# Altium PCB STM32F407Z_20181203.PcbDoc
Units mil, origin at the board's own origin, x right, y up, seen from the top; angles counter-clockwise.
Board outline 1975.03 x 1974.98 mil, 4 copper layers (TOP, GND02, ART03, BOT), stack 23.756 mil thick; 43 components, 90 nets, 1270 pads, 131 vias.
Unrouted connection lines stored in the file: 211.
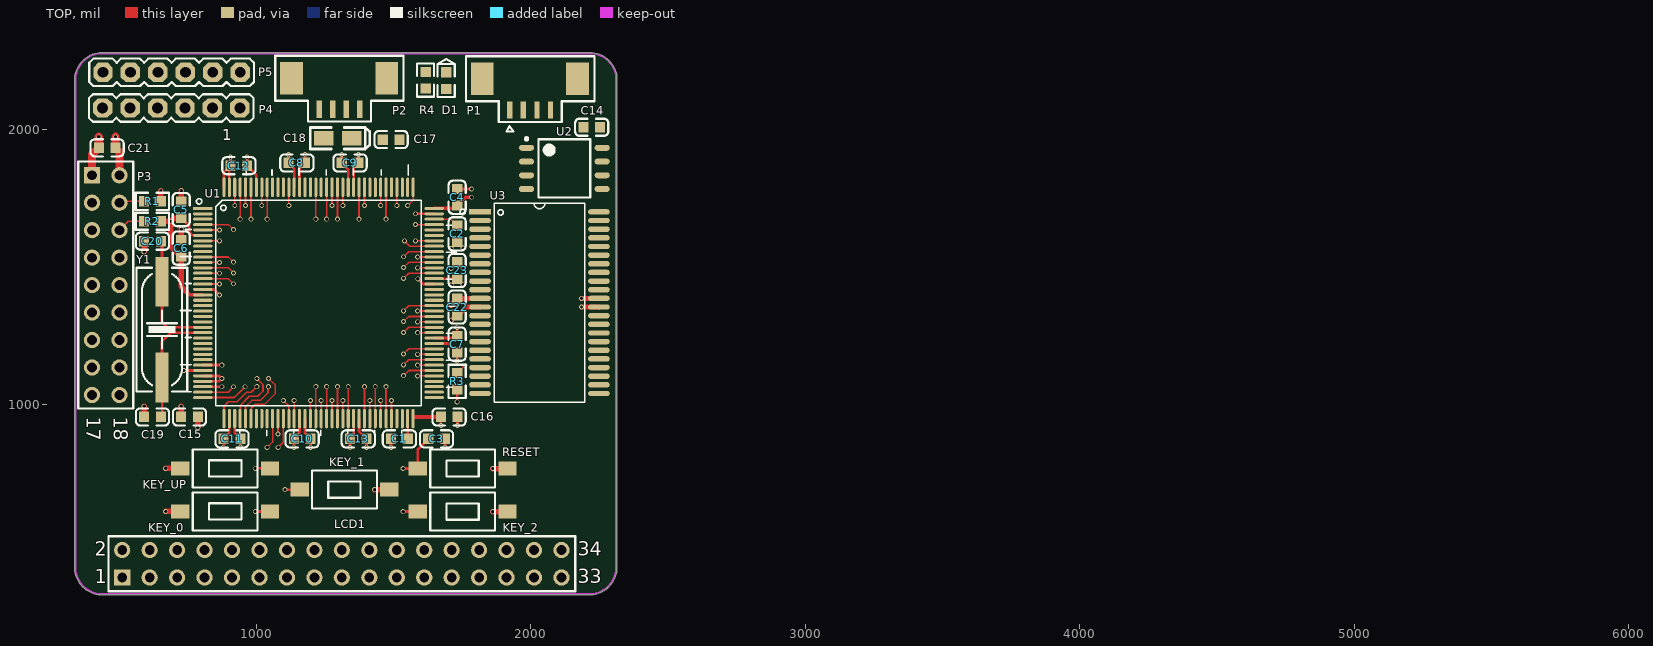
[diagram p0: TOP view]
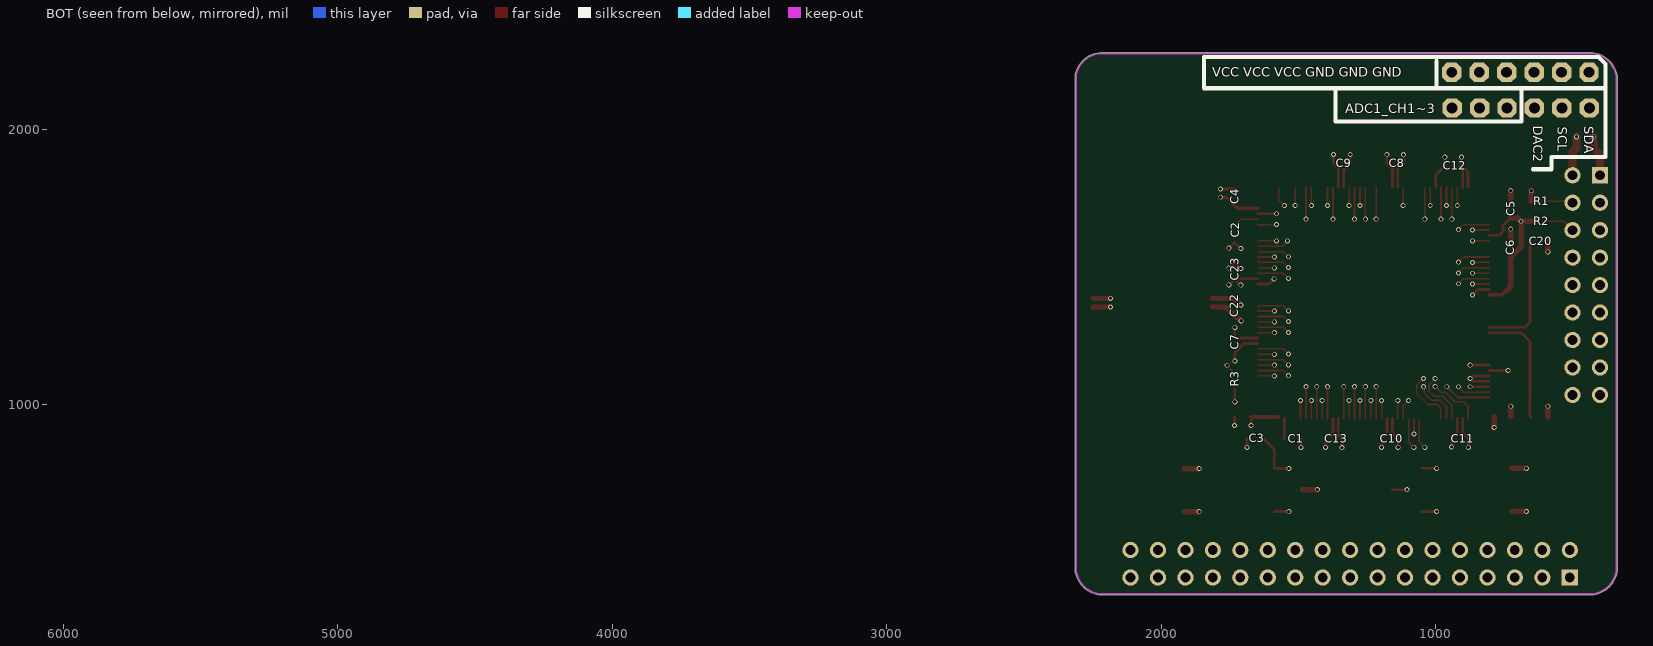
[diagram p1: BOT view, seen from below]
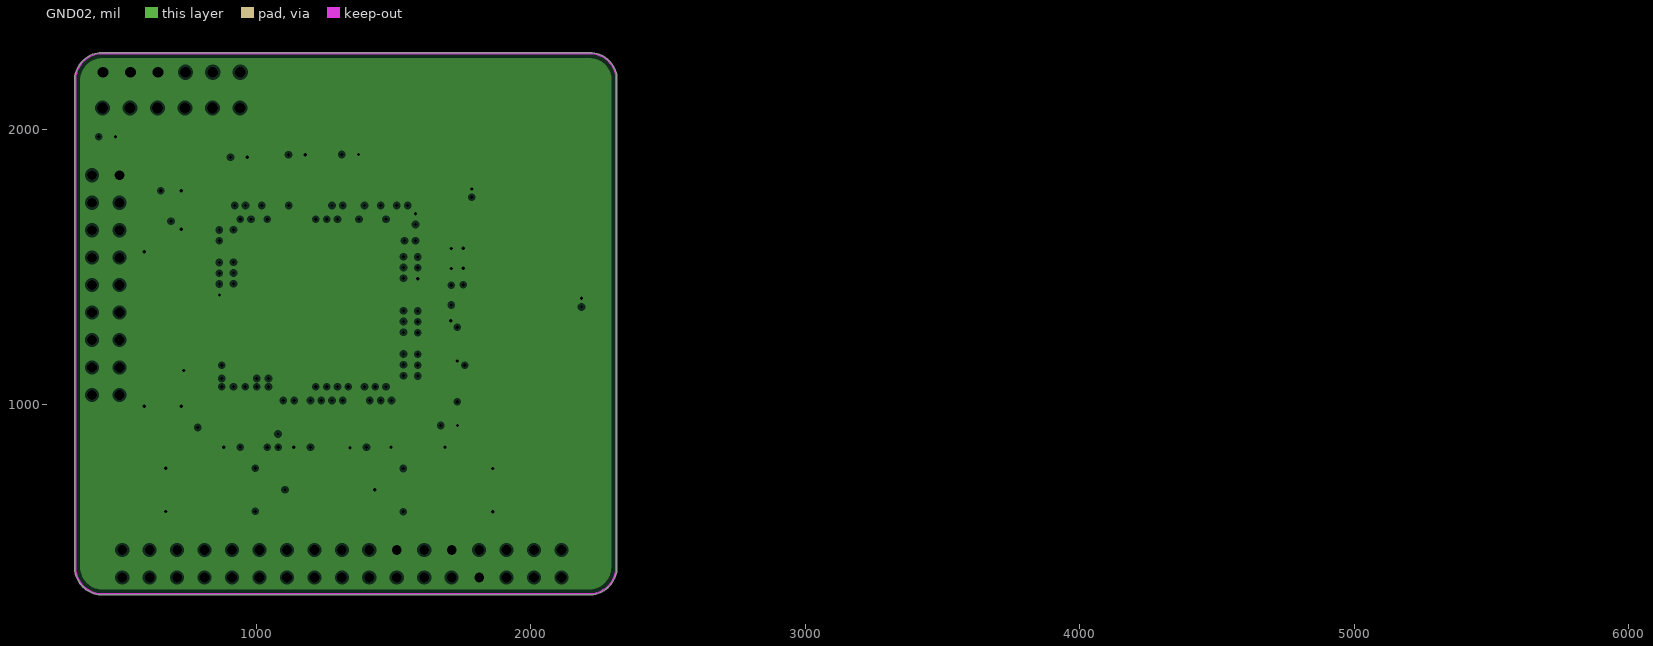
[diagram p2: GND02, clearances drawn from the general rule]

## Layer stack, top to bottom
SOLDER-TOP: solder mask 0.4, Solder Resist, Dk 3.5
TOP: signal copper 1.4
Dielectric 2: prepreg 2.8, PP-006, Dk 4.1
GND02: plane copper 1.3778, net GND
Dielectric 3: prepreg 2.8, PP-006, Dk 4.1
ART03: signal copper 1.3778
Dielectric 1: dielectric 12.6, FR-4, Dk 4.8
BOT: signal copper 1.4
SOLDER-BOT: solder mask 0.4, Solder Resist, Dk 3.5

## Board outline
368.35,336.35 ccw(c440.18,407.99) 432.95,306.81 ccw(c433.16,309.81) 433.99,306.91 ccw(c439.99,408.18) 447.11,306.98 2217,306.98 ccw(c2217,310) 2217.95,307.14 ccw(c2219.34,309.81) 2219.56,306.81 ccw(c2212.33,407.99) 2313.77,407.99 ccw(c2212.33,407.99) 2313.52,415.11 2313.52,2199.99 ccw(c2310.5,2199.99) 2313.3,2201.12 ccw(c2214.01,2180.33) 2206.89,2281.52 447.11,2281.52 ccw(c439.99,2180.33) 338.81,2187.56 ccw(c341.81,2187.34) 338.98,2186.29 338.99,415.11 ccw(c440.18,407.99) 338.91,401.99 ccw(c341.81,401.16) 338.81,400.95 ccw(c439.99,408.18)

## Design rules (kind name [scope] priority, off if disabled: settings)
Clearance Clearance_2 [IsVia] p1: gap=7 ignorepadtopadclearanceinfootprint=TRUE
Clearance Clearance_1 [InPoly] p2: gap=15 ignorepadtopadclearanceinfootprint=TRUE
Clearance [All] p3: gap=8 ignorepadtopadclearanceinfootprint=TRUE
PlaneClearance [All] p1: clearance=8
PlaneConnect PlaneConnect_1 [IsVia] p1: planeconnectstyle=Direct reliefexpansion=20 reliefentries=4 reliefconductorwidth=10 reliefairgap=10
PlaneConnect [All] p2: planeconnectstyle=Relief reliefexpansion=6 reliefentries=4 reliefconductorwidth=10 reliefairgap=8
PolygonConnect PolygonConnect_2 [IsThruPin] p1: connectstyle=Relief reliefconductorwidth=15 reliefentries=4 polygonreliefangle="90 Angle" airgapwidth=12
PolygonConnect PolygonConnect_1 [ISVIA] p2: connectstyle=Direct reliefconductorwidth=10 reliefentries=4 polygonreliefangle="90 Angle" airgapwidth=10
PolygonConnect [All] p3: connectstyle=Direct reliefconductorwidth=15 reliefentries=4 polygonreliefangle="90 Angle" airgapwidth=12
RoutingVias [All] p1: holewidth=12 width=20 viastyle="Through Hole" minholewidth=12 minwidth=18 maxholewidth=28 maxwidth=50
SolderMaskExpansion [All] p1: expansion=2.5
Width PWR [InNetClass('PWR')] p1: maxlimit=60 minlimit=10 preferedwidth=20
Width [All] p2: maxlimit=10 minlimit=6 preferedwidth=6
28 further rules are at their usual default settings.

## Classes and differential pairs
net class DCMI_DATA: DCMI_D0 DCMI_D1 DCMI_D2 DCMI_D3 DCMI_D4 DCMI_D5 DCMI_D6 DCMI_D7 DCMI_HREF DCMI_PCLK DCMI_VSYNC
net class Others: ADC1_CH1 ADC1_CH2 ADC1_CH3 DAC2_OUT F_CS I2C1_SCL I2C1_SDA JTMS_SWCLK JTMS_SWDIO KEY0 KEY1 KEY2 LCD_BL RESET SPI1_MISO SPI1_MOSI SPI1_SCK T_CS T_MISO T_MOSI T_PEN T_SCK USART1_RX USART1_TX WK_UP
net class PIN: ADC1_CH1 ADC1_CH2 ADC1_CH3 DAC2_OUT I2C1_SCL I2C1_SDA
net class T_LCD: T_CS T_MISO T_MOSI T_PEN T_SCK
net class FSMC_DATA: FSMC_D0 FSMC_D1 FSMC_D2 FSMC_D3 FSMC_D4 FSMC_D5 FSMC_D6 FSMC_D7 FSMC_D8 FSMC_D9 FSMC_D10 FSMC_D11 FSMC_D12 FSMC_D13 FSMC_D14 FSMC_D15
net class FSMC_ADDR: FSMC_A0 FSMC_A1 FSMC_A2 FSMC_A3 FSMC_A4 FSMC_A5 FSMC_A6 FSMC_A7 FSMC_A8 FSMC_A9 FSMC_A10 FSMC_A11 FSMC_A12 FSMC_A13 FSMC_A14 FSMC_A15 FSMC_A16 FSMC_A17 FSMC_A18 FSMC_NBL0 FSMC_NBL1 FSMC_NE3 FSMC_NE4 FSMC_NOE FSMC_NWE
net class DCMI: DCMI_D0 DCMI_D1 DCMI_D2 DCMI_D3 DCMI_D4 DCMI_D5 DCMI_D6 DCMI_D7 DCMI_HREF DCMI_PCLK DCMI_PWDN DCMI_RESET DCMI_SCL DCMI_SDA DCMI_VSYNC DCMI_XCLK
net class PWR: 5V GND VCC

## Components (designator, comment, footprint, x,y, rotation, side; value= is the part's Value field where it differs from the comment)
C1 "2.2uF" C0603 1521.68,875 r0 top locked
C2 "2.2uF" C0603 1732,1621.67 r90 top locked
C3 "104" C0603 1657,875 r180 top locked
C4 "104" C0603 1732,1755 r270 top locked
C5 "104" C0603 727,1710 r270 top locked
C6 "104" C0603 727,1569.69 r270 top locked
C7 "104" C0603 1732,1220 r90 top locked
C8 "104" C0603 1148.1,1880 r180 top locked
C9 "104" C0603 1342,1880 r180 top locked
C10 "104" C0603 1167.31,875 r0 top locked
C11 "104" C0603 912,875 r0 top locked
C12 "104" C0603 937,1870 r180 top locked
C13 "104" C0603 1371.69,875 r0 top locked
C14 "104" C0603 2222,2010 r0 top locked
C15 "104" C0603 757,955 r0 top locked
C16 "104" C0603 1702.67,955 r180 top locked
C17 "104" C0603 1491.37,1965 r180 top locked
C18 "10uF" LC-CASE-A_3216 1297,1970 r0 top locked
C19 "22pF" C0603 622.31,955 r0 top locked
C20 "22pF" C0603 622.31,1595 r0 top locked
C21 "104" C0603 457,1935 r180 top locked
C22 "104" C0603 1732,1355 r90 top locked
C23 "104" C0603 1732,1488.33 r270 top locked
D1 "LED0" LED0603 1692,2180 r270 top locked
KEY_0 "RESET" "micro button_2_SMD" 887,610.79 r0 top locked
KEY_1 "RESET" "micro button_2_SMD" 1321.53,690 r180 top locked
KEY_2 "RESET" "micro button_2_SMD" 1752,610 r180 top locked
KEY_UP "RESET" "micro button_2_SMD" 887,767.72 r0 top locked
LCD1 "3.2_LCD" HDR2X17 512,370 r0 top locked
P1 "USART1" 1.25PWT-4P 1997,2130 r0 top locked
P2 "JLINK" 1.25PWT-4P 1302.17,2132.09 r0 top locked
P3 "OV2640" HDR2X9 402,1835 r270 top locked
P4 "Header 6" PIN_6 690.74,2080 r180 top locked
P5 "Header 6" PIN_6 692,2210 r180 top locked
R1 "10K" R0603 622,1740 r0 top locked
R2 "10K" R0603 622,1667.5 r0 top locked
R3 "10K" R0603 1732,1084.68 r90 top locked
R4 "1K" R0603 1617.04,2181.42 r90 top locked
RESET "RESET" "micro button_2_SMD" 1752,766.93 r180 top locked
U1 "STM32F407ZET6" QFP144-0r5-20X20 1227,1370 r0 top locked
U2 "W25QXX" SOIC_8 2122.39,1860 r0 top locked
U3 "IS62WV51216" TSOP44-0r8-10 2031.84,1370.94 r270 top locked
Y1 "8MHz" Crystal_HC_49USMD 657,1272.95 r270 top

## Footprints (in the part's own frame and the unit in brackets; to place one, negate y for a bottom-side part, rotate by r counter-clockwise, add the part's x,y. Pads: shape width x height; smd on the part's side, far side on the other; paste and mask are expansions set on the pad)
1.25PWT-4P [mm]
  rect 2.1x3 smd: 0(-4.399,1.45) 0(4.399,1.45)
  rect 0.5x1.6 smd: 1(-1.849,-1.45) 2(-0.599,-1.45) 3(0.651,-1.45) 4(1.901,-1.45)
  silkscreen extent -5.91,-3.44 5.96,3.52, body extent -5.02,-1.82 5.13,2.78, height 3.43
C0603 [mm]
  rect 0.93x0.98 smd: 1(-0.77,0) 2(0.77,0)
  silkscreen extent -1.53,-0.79 1.54,0.79, body extent -0.8,-0.4 0.8,0.4, height 0.3
Crystal_HC_49USMD [mm]
  rect 4.6x1.2 smd: 1(-4.428,0) 2(4.428,0)
  silkscreen extent -5.72,-2.36 5.72,2.34
HDR2X9 [mm] "Connector; Header; 9x2 Position"
  rect 1.5x1.5 hole 0.9: 1(0,0)
  round 1.5 hole 0.9: 2(0,2.54) 3(2.54,0) 4(2.54,2.54) 5(5.08,0) 6(5.08,2.54) 7(7.62,0) 8(7.62,2.54) 9(10.16,0) 10(10.16,2.54) 11(12.7,0) 12(12.7,2.54) 13(15.24,0) 14(15.24,2.54) 15(17.78,0) 16(17.78,2.54) 17(20.32,0) 18(20.32,2.54)
  silkscreen extent -1.27,-1.27 21.59,3.81
HDR2X17 [mm] "Connector; Header; 15x2 Position"
  rect 1.5x1.5 hole 0.9: 1(0,0)
  round 1.5 hole 0.9: 2(0,2.54) 3(2.54,0) 4(2.54,2.54) 5(5.08,0) 6(5.08,2.54) 7(7.62,0) 8(7.62,2.54) 9(10.16,0) 10(10.16,2.54) 11(12.7,0) 12(12.7,2.54) 13(15.24,0) 14(15.24,2.54) 15(17.78,0) 16(17.78,2.54) 17(20.32,0) 18(20.32,2.54) 19(22.86,0) 20(22.86,2.54) 21(25.4,0) 22(25.4,2.54) 23(27.94,0) 24(27.94,2.54) 25(30.48,0) 26(30.48,2.54) 27(33.02,0) 28(33.02,2.54) 29(35.56,0) 30(35.56,2.54) 31(38.1,0) 32(38.1,2.54) 33(40.64,0) 34(40.64,2.54)
  silkscreen extent -1.27,-1.27 41.91,3.81
LC-CASE-A_3216 [mm]
  rect 1.8x1.35 smd: 1(1.31,0) 2(-1.31,0)
  silkscreen extent -2.54,-1 2.97,1, body extent -1.7,-0.84 1.7,0.84, height 1.71
LED0603 [mm]
  rect 0.93x0.98 smd: A(0.77,0) K(-0.77,0)
  silkscreen extent -2,-0.79 1.53,0.79, body extent -0.8,-0.4 0.8,0.4, height 0.6
"micro button_2_SMD" [mm]
  rect 1.7x1.3 smd: 1(-4.15,0) 2(4.15,0)
  silkscreen extent -3,-1.76 3,1.74, body extent -4.5,-1.75 4.5,1.75, height 4.51
PIN_6 [mm]
  oct 1.8x1.8 hole 1: 1(-6.35,0) 2(-3.81,0) 3(-1.27,0) 4(1.27,0) 5(3.81,0) 6(6.35,0)
  silkscreen extent -7.62,-1.27 7.62,1.27, body extent -7.62,-1.27 7.62,1.27, height 8.51
QFP144-0r5-20X20 [mm]
  rect 1.8x0.28 smd: 1(-10.7,8.75)
  oval 1.8x0.28 smd: 2(-10.7,8.25) 3(-10.7,7.75) 4(-10.7,7.25) 5(-10.7,6.75) 6(-10.7,6.25) 7(-10.7,5.75) 8(-10.7,5.25) 9(-10.7,4.75) 10(-10.7,4.25) 11(-10.7,3.75) 12(-10.7,3.25) 13(-10.7,2.75) 14(-10.7,2.25) 15(-10.7,1.75) 16(-10.7,1.25) 17(-10.7,0.75) 18(-10.7,0.25) 19(-10.7,-0.25) 20(-10.7,-0.75) 21(-10.7,-1.25) 22(-10.7,-1.75) 23(-10.7,-2.25) 24(-10.7,-2.75) 25(-10.7,-3.25) 26(-10.7,-3.75) 27(-10.7,-4.25) 28(-10.7,-4.75) 29(-10.7,-5.25) 30(-10.7,-5.75) 31(-10.7,-6.25) 32(-10.7,-6.75) 33(-10.7,-7.25) 34(-10.7,-7.75) 35(-10.7,-8.25) 36(-10.7,-8.75) 73(10.7,-8.75) 74(10.7,-8.25) 75(10.7,-7.75) 76(10.7,-7.25) 77(10.7,-6.75) 78(10.7,-6.25) 79(10.7,-5.75) 80(10.7,-5.25) 81(10.7,-4.75) 82(10.7,-4.25) 83(10.7,-3.75) 84(10.7,-3.25) 85(10.7,-2.75) 86(10.7,-2.25) 87(10.7,-1.75) 88(10.7,-1.25) 89(10.7,-0.75) 90(10.7,-0.25) 91(10.7,0.25) 92(10.7,0.75) 93(10.7,1.25) 94(10.7,1.75) 95(10.7,2.25) 96(10.7,2.75) 97(10.7,3.25) 98(10.7,3.75) 99(10.7,4.25) 100(10.7,4.75) 101(10.7,5.25) 102(10.7,5.75) 103(10.7,6.25) 104(10.7,6.75) 105(10.7,7.25) 106(10.7,7.75) 107(10.7,8.25) 108(10.7,8.75)
  oval 0.28x1.8 smd: 37(-8.75,-10.7) 38(-8.25,-10.7) 39(-7.75,-10.7) 40(-7.25,-10.7) 41(-6.75,-10.7) 42(-6.25,-10.7) 43(-5.75,-10.7) 44(-5.25,-10.7) 45(-4.75,-10.7) 46(-4.25,-10.7) 47(-3.75,-10.7) 48(-3.25,-10.7) 49(-2.75,-10.7) 50(-2.25,-10.7) 51(-1.75,-10.7) 52(-1.25,-10.7) 53(-0.75,-10.7) 54(-0.25,-10.7) 55(0.25,-10.7) 56(0.75,-10.7) 57(1.25,-10.7) 58(1.75,-10.7) 59(2.25,-10.7) 60(2.75,-10.7) 61(3.25,-10.7) 62(3.75,-10.7) 63(4.25,-10.7) 64(4.75,-10.7) 65(5.25,-10.7) 66(5.75,-10.7) 67(6.25,-10.7) 68(6.75,-10.7) 69(7.25,-10.7) 70(7.75,-10.7) 71(8.25,-10.7) 72(8.75,-10.7) 109(8.75,10.7) 110(8.25,10.7) 111(7.75,10.7) 112(7.25,10.7) 113(6.75,10.7) 114(6.25,10.7) 115(5.75,10.7) 116(5.25,10.7) 117(4.75,10.7) 118(4.25,10.7) 119(3.75,10.7) 120(3.25,10.7) 121(2.75,10.7) 122(2.25,10.7) 123(1.75,10.7) 124(1.25,10.7) 125(0.75,10.7) 126(0.25,10.7) 127(-0.25,10.7) 128(-0.75,10.7) 129(-1.25,10.7) 130(-1.75,10.7) 131(-2.25,10.7) 132(-2.75,10.7) 133(-3.25,10.7) 134(-3.75,10.7) 135(-4.25,10.7) 136(-4.75,10.7) 137(-5.25,10.7) 138(-5.75,10.7) 139(-6.25,10.7) 140(-6.75,10.7) 141(-7.25,10.7) 142(-7.75,10.7) 143(-8.25,10.7) 144(-8.75,10.7)
  silkscreen extent -12.8,-12.8 12.8,12.8, body extent -11,-11 11,11, height 1.55
R0603 [mm]
  rect 0.93x0.98 smd: 1(-0.77,0) 2(0.77,0)
  silkscreen extent -1.53,-0.79 1.54,0.79, body extent -0.85,-0.4 0.85,0.4, height 0.56
SOIC_8 [mm] "SOIC, 8-Leads, Body 5.28x5.28mm, Pitch 1.27mm, IPC High Density"
  oval 1.4x0.55 smd: 1(-3.5,1.905) 2(-3.5,0.635) 3(-3.5,-0.635) 4(-3.5,-1.905) 5(3.5,-1.905) 6(3.5,-0.635) 7(3.5,0.635) 8(3.5,1.905)
  silkscreen extent -3.62,-2.7 2.4,2.85, body extent -3.95,-2.7 3.95,2.7, height 2.16
TSOP44-0r8-10 [mm]
  rect 0.5x2 smd: 1(-8.4,-5.5)
  oval 0.5x2 smd: 2(-7.6,-5.5) 3(-6.8,-5.5) 4(-6,-5.5) 5(-5.2,-5.5) 6(-4.4,-5.5) 7(-3.6,-5.5) 8(-2.8,-5.5) 9(-2,-5.5) 10(-1.2,-5.5) 11(-0.4,-5.5) 12(0.4,-5.5) 13(1.2,-5.5) 14(2,-5.5) 15(2.8,-5.5) 16(3.6,-5.5) 17(4.4,-5.5) 18(5.2,-5.5) 19(6,-5.5) 20(6.8,-5.5) 21(7.6,-5.5) 22(8.4,-5.5) 23(8.4,5.5) 24(7.6,5.5) 25(6.8,5.5) 26(6,5.5) 27(5.2,5.5) 28(4.4,5.5) 29(3.6,5.5) 30(2.8,5.5) 31(2,5.5) 32(1.2,5.5) 33(0.4,5.5) 34(-0.4,5.5) 35(-1.2,5.5) 36(-2,5.5) 37(-2.8,5.5) 38(-3.6,5.5) 39(-4.4,5.5) 40(-5.2,5.5) 41(-6,5.5) 42(-6.8,5.5) 43(-7.6,5.5) 44(-8.4,5.5)
  silkscreen extent -9.2,-7.35 9.2,4.2, body extent -9.21,-5.89 9.21,5.89, height 1.24

## Part data
C1 C2 C3 C4 C5 C6 C7 C8 C9 C10 C11 C12 C13 C14 C15 C16 C17 C19 C20 C21 C22 C23: library part Cap, "Capacitor", LatestRevisionDate=17-Jul-2002, LatestRevisionNote="Re-released for DXP Platform.", PackageDescription="Radial Cap, Thru-Hole; 2 Leads; 0.3 in Pin Spacing", PackageReference=RAD-0.3, Published=8-Jun-2000, Publisher="Altium Limited"
C18: library part "Cap Pol1", "Polarized Capacitor (Radial)", LatestRevisionDate=17-Jul-2002, LatestRevisionNote="Re-released for DXP Platform.", PackageDescription="Polarized Capacitor (Radial); 2 Leads", PackageReference=RB7.6-15, Published=8-Jun-2000, Publisher="Altium Limited"
D1: "Typical INFRARED GaAs LED", LatestRevisionDate=08-Jul-2005, LatestRevisionNote="Mech Layer 1 removed.", PackageDescription="LED; 2 Leads", PackageReference=LED-0, Published=8-Jun-2000, Publisher="Altium Limited"
KEY_0 KEY_1 KEY_2 KEY_UP RESET: library part SW-PB, "Switch", LatestRevisionDate=17-Jul-2002, LatestRevisionNote="Re-released for DXP Platform.", PackageDescription="Switch; 2 Leads", PackageReference=SPST-2, Published=24-Mar-1999, Publisher="Altium Limited"
P1 P2: library part "Header 4", "Header, 4-Pin", LatestRevisionDate=17-Jul-2002, LatestRevisionNote="Re-released for DXP Platform.", Publisher="Altium Limited"
P3: library part "Header 9X2", "Header, 9-Pin, Dual row", LatestRevisionDate=17-Jul-2002, LatestRevisionNote="Re-released for DXP Platform.", Publisher="Altium Limited"
P4 P5: "Header, 6-Pin", LatestRevisionDate=17-Jul-2002, LatestRevisionNote="Re-released for DXP Platform.", Publisher="Altium Limited"
R1 R2 R3 R4: library part Res2, "Resistor", LatestRevisionDate=17-Jul-2002, LatestRevisionNote="Re-released for DXP Platform.", PackageDescription="Axial Device, Thru-Hole; 2 Leads; 0.4 in Pin Spacing", PackageReference=AXIAL-0.4, Published=8-Jun-2000, Publisher="Altium Limited"
U1: "ARM Cortex-M4 32b MCU+FPU, 210DMIP, 512 kB Flash, 192+4 kB RAM, Camera, 114 I/Os, 144-pin LQFP, -40 to +85癈, Tray", Operating Frequency (Processor Speed)=168MHz, 16-bit Timers (IC/OC/PWM)=12x16-bit(24/24/30), 32-bit Timer (IC/OC/PWM)="2x32-bit (8/8/8)", A/D Converter=24x12-bit, ComponentLink1Description="Manufacturer URL", ComponentLink1URL=http://www.st.com/, ComponentLink2Description="STM32F405/7 Datasheet", ComponentLink2URL=http://www.st.com/internet/com/TECHNICAL_RESOURCES/TECHNICAL_LITERATURE/DATASHEET/DM00037051.pdf, ComponentLink3Description="STM32F4 Web Page", ComponentLink3URL=http://www.st.com/internet/mcu/subclass/1521.jsp, D/A Converter=2x12-bit, DatasheetVersion="rev2, Jan-2012", Internal RAM=192kB, Other Timer Functions="2xWDG, RTC, 24-bit down counter", PackageDescription="144-Pin Low Profile Quad Flat Package, 20x20 mm Body, 0.5 mm Pitch", PackageReference=TQFP144, PackageVersion=2012, Serial Interface="3xSPI/2xI2S/2xI2C/3xUSART(IrDa, ISO7816)/3xUART/2xUSB OTG FS/HS, 2xCAN/Ethernet MAC10/100, SDIO"
U2: library part W25X16, "W25X16;SST25VF016;MX25L1605"
Y1: library part XTAL, "Crystal Oscillator", LatestRevisionDate=17-Jul-2002, LatestRevisionNote="Re-released for DXP Platform.", PackageDescription="Crystal, Thru-Hole; 2 Leads; Body 3.1 x 8.2 mm (Dia.xH)", PackageReference=R38, Published=8-Jun-2000, Publisher="Altium Limited"

## Free pads (board coordinates)
  round 6 on Mech1: 1(2865.57,1051.13) 1(2865.57,1271.13) 1(2865.57,1491.13) 1(2945.57,1031.13) 1(2945.57,1031.13) 1(2945.57,1071.13) 1(2945.57,1071.13) 1(2945.57,1251.13) 1(2945.57,1251.13) 1(2945.57,1291.13) 1(2945.57,1291.13) 1(2945.57,1471.13) 1(2945.57,1471.13) 1(2945.57,1511.13) 1(2945.57,1511.13) 1(3000.57,1051.13) 1(3000.57,1051.13) 1(3000.57,1051.13) 1(3000.57,1271.13) 1(3000.57,1271.13) 1(3000.57,1271.13) 1(3000.57,1491.13) 1(3000.57,1491.13) 1(3000.57,1491.13) 1(3096.07,1015.71) 1(3096.07,1065.71) 1(3096.07,1235.39) 1(3096.07,1285.39) 1(3096.07,1455.08) 1(3096.07,1505.08) 1(3131.07,1000.71) 1(3131.07,1220.39) 1(3131.07,1440.08) 1(3136.07,1105.71) 1(3136.07,1325.39) 1(3136.07,1545.08) 1(3181.07,1000.71) 1(3181.07,1220.39) 1(3181.07,1440.08) 1(3186.07,1105.71) 1(3186.07,1325.39) 1(3186.07,1545.08) 1(3231.07,1000.71) 1(3231.07,1220.39) 1(3231.07,1440.08) 1(3236.07,1105.71) 1(3236.07,1325.39) 1(3236.07,1545.08) 1(3286.07,1105.71) 1(3286.07,1325.39) 1(3286.07,1545.08) 1(3336.07,1105.71) 1(3336.07,1325.39) 1(3336.07,1545.08) 1(3678.61,2121.02) 1(3678.61,2121.02) 1(3678.61,2184.02) 1(3682.78,2104.02) 1(3709.95,2121.02) 1(3737.7,2121.02) 1(3744.75,2143.07) 1(3757.28,2184.02) 1(3757.28,2184.02) 1(3769.81,2143.07) 1(3776.86,2121.02) 1(3791.87,783.3) 1(3791.87,783.3) 1(3791.87,816.9) 1(3791.87,846.3) 1(3791.87,846.3) 1(3800.33,2025.42) 1(3803.46,2064.27) 1(3803.46,2064.27) 1(3804.61,2184.02) 1(3805.03,2071.62) 1(3805.03,2071.62) 1(3805.81,2056.92) 1(3805.81,2056.92) 1(3806.6,2020.17) 1(3806.6,2020.17) 1(3808.95,2076.87) 1(3808.95,2076.87) 1(3811.3,2052.72) 1(3811.3,2052.72) 1(3813.02,846.3) 1(3813.02,846.3) 1(3813.65,2017.02) 1(3813.65,2017.02) 1(3814.43,2080.02) 1(3814.43,2080.02) 1(3816.16,816.9) 1(3816.16,816.9) 1(3816.16,816.9) 1(3817.72,783.3) 1(3817.72,783.3) 1(3818.51,843.15) 1(3818.51,843.15) 1(3819.29,820.05) 1(3819.29,820.05) 1(3819.91,2017.02) 1(3819.91,2017.02) 1(3819.91,2080.02) 1(3819.91,2080.02) 1(3820.28,2121.02) 1(3820.28,2149.37) 1(3820.28,2149.37) 1(3820.28,2149.37) 1(3820.7,2050.62) 1(3820.7,2050.62) 1(3821.64,814.8) 1(3821.64,814.8) 1(3821.64,825.3) 1(3821.64,825.3) 1(3821.64,838.95) 1(3821.64,838.95) 1(3823.21,787.5) 1(3823.21,787.5) 1(3823.21,832.65) 1(3823.21,832.65) 1(3825.4,2077.92) 1(3825.4,2077.92) 1(3826.18,2020.17) 1(3826.18,2020.17) 1(3826.34,793.8) 1(3826.34,793.8) 1(3826.34,808.5) 1(3826.34,808.5) 1(3827.75,2046.42) 1(3827.75,2046.42) 1(3827.91,801.15) 1(3827.91,801.15) 1(3829.62,1780.02) 1(3830.1,2072.67) 1(3830.88,2025.42) 1(3830.88,2025.42) 1(3831.66,2040.12) 1(3831.66,2040.12) 1(3833.23,2032.77) 1(3833.23,2032.77) 1(3835.95,2184.02) 1(3847.64,1717.02) 1(3847.64,1780.02) 1(3851.74,810.6) 1(3851.74,810.6) 1(3851.74,819) 1(3851.74,819) 1(3853.31,802.2) 1(3853.31,802.2) 1(3853.31,827.4) 1(3853.31,827.4) 1(3856.44,794.85) 1(3856.44,794.85) 1(3856.44,834.75) 1(3856.44,834.75) 1(3860.2,2045.37) 1(3860.2,2045.37) 1(3860.98,2054.82) 1(3860.98,2054.82) 1(3861.14,788.55) 1(3861.14,788.55) 1(3861.14,841.05) 1(3861.14,841.05) 1(3861.76,2035.92) 1(3861.76,2035.92) 1(3864.11,2029.62) 1(3864.11,2029.62) 1(3864.11,2065.32) 1(3864.11,2065.32) 1(3865.66,1780.02) 1(3866.62,784.35) 1(3866.62,784.35) 1(3866.62,845.25) 1(3866.62,845.25) 1(3867.61,2121.02) 1(3867.61,2121.02) 1(3867.61,2153.57) 1(3867.61,2184.02) 1(3867.61,2184.02) 1(3868.03,2071.62) 1(3868.03,2071.62) 1(3868.81,2023.32) 1(3868.81,2023.32) 1(3872.89,783.3) 1(3872.89,783.3) 1(3872.89,846.3) 1(3872.89,846.3) 1(3873.51,2076.87) 1(3873.51,2076.87) 1(3874.3,2019.12) 1(3874.3,2019.12) 1(3879.16,784.35) 1(3879.16,784.35) 1(3879.16,845.25) 1(3879.16,845.25) 1(3879.78,2017.02) 1(3879.78,2017.02) 1(3880.56,2080.02) 1(3880.56,2080.02) 1(3884.64,788.55) 1(3884.64,788.55) 1(3884.64,841.05) 1(3884.64,841.05) 1(3885.26,2017.02) 1(3885.26,2017.02) 1(3886.41,2153.57) 1(3886.83,2080.02) 1(3886.83,2080.02) 1(3889.34,794.85) 1(3889.34,794.85) 1(3889.34,834.75) 1(3889.34,834.75) 1(3889.49,1744.32) 1(3889.49,1744.32) 1(3889.49,1752.72) 1(3889.49,1752.72) 1(3890.75,2019.12) 1(3890.75,2019.12) 1(3891.06,1735.92) 1(3891.06,1735.92) 1(3891.06,1761.12) 1(3891.06,1761.12) 1(3892.31,2077.92) 1(3892.31,2077.92) 1(3892.47,802.2) 1(3892.47,802.2) 1(3892.47,827.4) 1(3892.47,827.4) 1(3894.04,810.6) 1(3894.04,810.6) 1(3894.04,819) 1(3894.04,819) 1(3894.19,1728.57) 1(3894.19,1728.57) 1(3894.19,1768.47) 1(3894.19,1768.47) 1(3895.45,2022.27) 1(3895.45,2022.27) 1(3897.01,2074.77) 1(3898.89,1722.27) 1(3898.89,1722.27) 1(3898.89,1774.77) 1(3898.89,1774.77) 1(3898.95,2121.02) 1(3898.95,2184.02) 1(3899.36,2026.47) 1(3904.37,1718.07) 1(3904.37,1718.07) 1(3904.37,1778.97) 1(3904.37,1778.97) 1(3910.64,1717.02) 1(3910.64,1717.02) 1(3910.64,1780.02) 1(3910.64,1780.02) 1(3916.91,1718.07) 1(3916.91,1718.07) 1(3916.91,1778.97) 1(3916.91,1778.97) 1(3917.87,846.3) 1(3922.39,1722.27) 1(3922.39,1722.27) 1(3922.39,1774.77) 1(3922.39,1774.77) 1(3923.2,2017.02) 1(3927.09,1728.57) 1(3927.09,1728.57) 1(3927.09,1768.47) 1(3927.09,1768.47) 1(3930.22,1735.92) 1(3930.22,1735.92) 1(3930.22,1761.12) 1(3930.22,1761.12) 1(3930.25,2039.07) 1(3930.61,2121.02) 1(3930.61,2151.47) 1(3930.61,2184.02) 1(3930.61,2184.02) 1(3931.79,1744.32) 1(3931.79,1744.32) 1(3931.79,1752.72) 1(3931.79,1752.72) 1(3935.89,783.3) 1(3935.89,846.3) 1(3942.78,2080.02) 1(3942.78,2080.02) 1(3950.2,2151.47) 1(3950.2,2151.47) 1(3950.2,2151.47) 1(3950.2,2184.02) 1(3950.2,2184.02) 1(3953.91,846.3) 1(3955.31,2039.07) 1(3955.68,2154.62) 1(3955.68,2154.62) 1(3956.46,2180.87) 1(3956.46,2180.87) 1(3957.97,1717.02) 1(3957.97,1743.27) 1(3957.97,1780.02) 1(3957.97,1780.02) 1(3960.38,2159.87) 1(3960.38,2159.87) 1(3960.38,2176.67) 1(3960.38,2176.67) 1(3961.95,2121.02) 1(3961.95,2168.27) 1(3961.95,2168.27) 1(3962.36,2017.02) 1(3976.77,1743.27) 1(3976.77,1743.27) 1(3976.77,1780.02) 1(3976.77,1780.02) 1(3980.87,846.3) 1(3983.04,1776.87) 1(3983.04,1776.87) 1(3983.82,1746.42) 1(3983.82,1746.42) 1(3987.74,1752.72) 1(3987.74,1752.72) 1(3987.74,1769.52) 1(3987.74,1769.52) 1(3989.31,1761.12) 1(3989.31,1761.12) 1(3990.11,2017.02) 1(3990.11,2017.02) 1(3990.11,2080.02) 1(3998.89,783.3) 1(3998.89,846.3) 1(4016.91,846.3) 1(4021.45,2017.02) 1(4040.74,810.6) 1(4040.74,810.6) 1(4040.74,819) 1(4040.74,819) 1(4042.31,802.2) 1(4042.31,802.2) 1(4042.31,827.4) 1(4042.31,827.4) 1(4045.44,794.85) 1(4045.44,794.85) 1(4045.44,834.75) 1(4045.44,834.75) 1(4050.14,788.55) 1(4050.14,788.55) 1(4050.14,841.05) 1(4050.14,841.05) 1(4053.11,2017.02) 1(4053.11,2017.02) 1(4053.11,2049.57) 1(4053.11,2080.02) 1(4053.11,2080.02) 1(4055.62,784.35) 1(4055.62,784.35) 1(4055.62,845.25) 1(4055.62,845.25) 1(4055.83,2129.42) 1(4058.96,2168.27) 1(4058.96,2168.27) 1(4060.53,2175.62) 1(4060.53,2175.62) 1(4061.31,2160.92) 1(4061.31,2160.92) 1(4061.89,783.3) 1(4061.89,783.3) 1(4061.89,846.3) 1(4061.89,846.3) 1(4062.1,2124.17) 1(4062.1,2124.17) 1(4064.45,2180.87) 1(4064.45,2180.87) 1(4066.8,2156.72) 1(4066.8,2156.72) 1(4068.16,784.35) 1(4068.16,784.35) 1(4068.16,845.25) 1(4068.16,845.25) 1(4069.15,2121.02) 1(4069.15,2121.02) 1(4069.93,2184.02) 1(4069.93,2184.02) 1(4071.91,2049.57) 1(4073.64,788.55) 1(4073.64,788.55) 1(4073.64,841.05) 1(4073.64,841.05) 1(4075.41,2121.02) 1(4075.41,2121.02) 1(4075.41,2184.02) 1(4075.41,2184.02) 1(4076.2,2154.62) 1(4076.2,2154.62) 1(4078.34,794.85) 1(4078.34,794.85) 1(4078.34,834.75) 1(4078.34,834.75) 1(4080.9,2181.92) 1(4080.9,2181.92) 1(4081.47,802.2) 1(4081.47,802.2) 1(4081.47,827.4) 1(4081.47,827.4) 1(4081.68,2124.17) 1(4081.68,2124.17) 1(4083.04,810.6) 1(4083.04,810.6) 1(4083.04,819) 1(4083.04,819) 1(4083.19,1725.42) 1(4083.25,2150.42) 1(4083.25,2150.42) 1(4084.45,2017.02) 1(4084.45,2080.02) 1(4085.6,2176.67) 1(4086.32,1764.27) 1(4086.32,1764.27) 1(4086.38,2129.42) 1(4086.38,2129.42) 1(4087.16,2144.12) 1(4087.16,2144.12) 1(4087.89,1771.62) 1(4087.89,1771.62) 1(4088.67,1756.92) 1(4088.67,1756.92) 1(4088.73,2136.77) 1(4088.73,2136.77) 1(4089.46,1720.17) 1(4089.46,1720.17) 1(4091.81,1776.87) 1(4091.81,1776.87) 1(4094.16,1752.72) 1(4094.16,1752.72) 1(4096.51,1717.02) 1(4096.51,1717.02) 1(4097.29,1780.02) 1(4097.29,1780.02) 1(4102.77,1717.02) 1(4102.77,1717.02) 1(4102.77,1780.02) 1(4102.77,1780.02) 1(4103.56,1750.62) 1(4103.56,1750.62) 1(4104.52,783.3) 1(4104.52,846.3) 1(4104.52,846.3) 1(4108.26,1777.92) 1(4108.26,1777.92) 1(4109.04,1720.17) 1(4109.04,1720.17) 1(4110.61,1746.42) 1(4110.61,1746.42) 1(4112.96,1772.67) 1(4113.74,1725.42) 1(4113.74,1725.42) 1(4114.52,1740.12) 1(4114.52,1740.12) 1(4116.09,1732.77) 1(4116.09,1732.77) 1(4117.26,2184.02) 1(4124.89,793.8) 1(4124.89,793.8) 1(4130.21,2015.97) 1(4130.21,2015.97) 1(4130.21,2018.07) 1(4130.21,2018.07) 1(4130.21,2044.32) 1(4130.21,2044.32) 1(4130.21,2046.42) 1(4130.21,2046.42) 1(4131.78,2014.92) 1(4131.78,2014.92) 1(4131.78,2019.12) 1(4131.78,2019.12) 1(4131.78,2043.27) 1(4131.78,2043.27) 1(4131.78,2047.47) 1(4131.78,2047.47) 1(4133.35,2015.97) 1(4133.35,2015.97) 1(4133.35,2018.07) 1(4133.35,2018.07) 1(4133.35,2044.32) 1(4133.35,2044.32) 1(4133.35,2046.42) 1(4133.35,2046.42) 1(4135.28,2121.02) 1(4135.28,2184.02) 1(4145.26,783.3) 1(4145.26,846.3) 1(4145.26,846.3) 1(4153.24,1717.02) 1(4153.24,1780.02) 1(4153.3,2184.02) 1(4162.64,1717.02) 1(4162.64,1780.02) 1(4172.04,1717.02) 1(4172.04,1780.02) 1(4176.76,2017.02) 1(4176.76,2080.02) 1(4176.76,2080.02) 1(4178.7,2121.02) 1(4185.75,2143.07) 1(4198.28,2184.02) 1(4198.28,2184.02) 1(4208.41,1717.02) 1(4208.41,1717.02) 1(4208.41,1780.02) 1(4208.41,1780.02) 1(4210.81,2143.07) 1(4212.8,2017.02) 1(4212.8,2017.02) 1(4212.8,2080.02) 1(4217.86,2121.02) 1(4224.07,1717.02) 1(4224.07,1717.02) 1(4224.07,1780.02) 1(4224.07,1780.02) 1(4230.34,1720.17) 1(4230.34,1720.17) 1(4230.34,1776.87) 1(4230.34,1776.87) 1(4234.44,791.7) 1(4235.04,1724.37) 1(4235.04,1724.37) 1(4235.04,1772.67) 1(4235.04,1772.67) 1(4236.63,2044.32) 1(4236.63,2044.32) 1(4236.63,2052.72) 1(4236.63,2052.72) 1(4237.57,830.55) 1(4237.57,830.55) 1(4238.2,2035.92) 1(4238.2,2035.92) 1(4238.2,2061.12) 1(4238.2,2061.12) 1(4238.96,1730.67) 1(4238.96,1730.67) 1(4238.96,1766.37) 1(4238.96,1766.37) 1(4239.14,837.9) 1(4239.14,837.9) 1(4239.92,823.2) 1(4239.92,823.2) 1(4240.71,786.45) 1(4240.71,786.45) 1(4241.33,2028.57) 1(4241.33,2028.57) 1(4241.33,2068.47) 1(4241.33,2068.47) 1(4241.7,2149.37) 1(4241.7,2149.37) 1(4242.09,1738.02) 1(4242.09,1738.02) 1(4242.09,1759.02) 1(4242.09,1759.02) 1(4242.48,2158.82) 1(4242.48,2158.82) 1(4242.87,1748.52) 1(4242.87,1748.52) 1(4243.06,843.15) 1(4243.06,843.15) 1(4243.26,2139.92) 1(4243.26,2139.92) 1(4245.41,819) 1(4245.41,819) 1(4245.61,2133.62) 1(4245.61,2133.62) 1(4245.61,2169.32) 1(4245.61,2169.32) 1(4246.03,2022.27) 1(4246.03,2022.27) 1(4246.03,2074.77) 1(4246.03,2074.77) 1(4247.76,783.3) 1(4247.76,783.3) 1(4248.54,846.3) 1(4248.54,846.3) 1(4249.53,2175.62) 1(4249.53,2175.62) 1(4250.31,2127.32) 1(4250.31,2127.32) 1(4251.51,2018.07) 1(4251.51,2018.07) 1(4251.51,2078.97) 1(4251.51,2078.97) 1(4254.02,783.3) 1(4254.02,783.3) 1(4254.02,846.3) 1(4254.02,846.3) 1(4254.81,816.9) 1(4254.81,816.9) 1(4255.01,2180.87) 1(4255.01,2180.87) 1(4255.8,2123.12) 1(4255.8,2123.12) 1(4257.78,2017.02) 1(4257.78,2017.02) 1(4257.78,2080.02) 1(4257.78,2080.02) 1(4259.51,844.2) 1(4259.51,844.2) 1(4260.29,786.45) 1(4260.29,786.45) 1(4261.28,2121.02) 1(4261.28,2121.02) 1(4261.86,812.7) 1(4261.86,812.7) 1(4262.06,2184.02) 1(4262.06,2184.02) 1(4264.05,2018.07) 1(4264.05,2018.07) 1(4264.05,2078.97) 1(4264.05,2078.97) 1(4264.21,838.95) 1(4264.99,791.7) 1(4264.99,791.7) 1(4265.77,806.4) 1(4265.77,806.4) 1(4266.76,2121.02) 1(4266.76,2121.02) 1(4267.34,799.05) 1(4267.34,799.05) 1(4268.33,2184.02) 1(4268.33,2184.02) 1(4269.53,2022.27) 1(4269.53,2022.27) 1(4269.53,2074.77) 1(4269.53,2074.77) 1(4272.25,2123.12) 1(4272.25,2123.12) 1(4272.97,1717.02) 1(4272.97,1717.02) 1(4272.97,1749.57) 1(4272.97,1780.02) 1(4272.97,1780.02) 1(4273.81,2181.92) 1(4273.81,2181.92) 1(4274.23,2028.57) 1(4274.23,2028.57) 1(4274.23,2068.47) 1(4274.23,2068.47) 1(4276.95,2126.27) 1(4276.95,2126.27) 1(4277.36,2035.92) 1(4277.36,2035.92) 1(4277.36,2061.12) 1(4277.36,2061.12) 1(4278.51,2178.77) 1(4278.93,2044.32) 1(4278.93,2044.32) 1(4278.93,2052.72) 1(4278.93,2052.72) 1(4280.86,2130.47) 1(4291.77,1749.57) 1(4302.76,2017.02) 1(4302.76,2080.02) 1(4302.76,2080.02) 1(4304.31,1717.02) 1(4304.31,1780.02) 1(4304.49,783.3) 1(4304.49,846.3) 1(4307.05,2121.02) 1(4307.05,2145.17) 1(4307.05,2184.02) 1(4313.89,783.3) 1(4313.89,846.3) 1(4320.36,2163.02) 1(4323.29,783.3) 1(4323.29,846.3) 1(4336.81,2184.02) 1(4338.8,2017.02) 1(4338.8,2017.02) 1(4338.8,2080.02) 1(4341.51,2121.02) 1(4359.66,783.3) 1(4359.66,783.3) 1(4359.66,846.3) 1(4359.66,846.3) 1(4368.11,2017.02) 1(4368.11,2017.02) 1(4368.11,2049.57) 1(4368.11,2080.02) 1(4368.11,2080.02) 1(4375.32,783.3) 1(4375.32,783.3) 1(4375.32,846.3) 1(4375.32,846.3) 1(4377.88,2121.02) 1(4377.88,2184.02) 1(4381.59,786.45) 1(4381.59,786.45) 1(4381.59,843.15) 1(4381.59,843.15) 1(4386.29,790.65) 1(4386.29,790.65) 1(4386.29,838.95) 1(4386.29,838.95) 1(4386.91,2049.57) 1(4387.28,2121.02) 1(4387.28,2184.02) 1(4390.21,796.95) 1(4390.21,796.95) 1(4390.21,832.65) 1(4390.21,832.65) 1(4393.34,804.3) 1(4393.34,804.3) 1(4393.34,825.3) 1(4393.34,825.3) 1(4394.12,814.8) 1(4394.12,814.8) 1(4396.68,2121.02) 1(4396.68,2184.02) 1(4399.45,2017.02) 1(4399.45,2080.02) 1(4424.22,783.3) 1(4424.22,783.3) 1(4424.22,815.85) 1(4424.22,846.3) 1(4424.22,846.3) 1(4432.26,2121.02) 1(4432.26,2184.02) 1(4432.26,2184.02) 1(4443.02,815.85) 1(4455.56,783.3) 1(4455.56,846.3) 1(4468.3,2121.02) 1(4468.3,2121.02) 1(4468.3,2184.02) 1(4492.91,2149.37) 1(4492.91,2149.37) 1(4492.91,2156.72) 1(4492.91,2156.72) 1(4494.48,2140.97) 1(4494.48,2140.97) 1(4494.48,2163.02) 1(4494.48,2163.02) 1(4497.61,2133.62) 1(4497.61,2133.62) 1(4497.61,2170.37) 1(4497.61,2170.37) 1(4502.31,2127.32) 1(4502.31,2127.32) 1(4502.31,2176.67) 1(4502.31,2176.67) 1(4507.01,2180.87) 1(4507.01,2180.87) 1(4507.8,2123.12) 1(4507.8,2123.12) 1(4513.28,2184.02) 1(4513.28,2184.02) 1(4515.63,2121.02) 1(4515.63,2121.02) 1(4517.98,2152.52) 1(4518.76,2184.02) 1(4518.76,2184.02) 1(4523.46,2123.12) 1(4523.46,2123.12) 1(4525.03,2181.92) 1(4525.03,2181.92) 1(4528.95,2127.32) 1(4528.95,2127.32) 1(4529.73,2177.72) 1(4533.65,2133.62) 1(4533.65,2133.62) 1(4533.65,2152.52) 1(4533.65,2152.52) 1(4533.78,2104.02) 1(4922.08,1106.49) 1(4922.08,1326.18) 1(4922.08,1545.86) 1(4972.08,1106.49) 1(4972.08,1326.18) 1(4972.08,1545.86) 1(5022.08,1106.49) 1(5022.08,1326.18) 1(5022.08,1545.86) 1(5032.08,996.49) 1(5032.08,1216.18) 1(5032.08,1435.86) 1(5072.08,1106.49) 1(5072.08,1326.18) 1(5072.08,1545.86) 1(5082.08,996.49) 1(5082.08,1216.18) 1(5082.08,1435.86) 1(5122.08,1106.49) 1(5122.08,1326.18) 1(5122.08,1545.86) 1(5132.08,996.49) 1(5132.08,1216.18) 1(5132.08,1435.86) 1(5182.08,996.49) 1(5182.08,1046.49) 1(5182.08,1216.18) 1(5182.08,1266.18) 1(5182.08,1435.86) 1(5182.08,1485.86) 1(5199.97,941.13) 1(5199.97,941.13) 1(5199.97,941.13) 1(5199.97,1161.13) 1(5199.97,1161.13) 1(5199.97,1161.13) 1(5199.97,1381.13) 1(5199.97,1381.13) 1(5199.97,1381.13) 1(5199.97,1601.13) 1(5199.97,1601.13) 1(5199.97,1601.13) 1(5254.97,921.13) 1(5254.97,921.13) 1(5254.97,961.13) 1(5254.97,961.13) 1(5254.97,1141.13) 1(5254.97,1141.13) 1(5254.97,1181.13) 1(5254.97,1181.13) 1(5254.97,1361.13) 1(5254.97,1361.13) 1(5254.97,1401.13) 1(5254.97,1401.13) 1(5254.97,1581.13) 1(5254.97,1581.13) 1(5254.97,1621.13) 1(5254.97,1621.13) 1(5335.97,941.13) 1(5335.97,1161.13) 1(5335.97,1381.13) 1(5335.97,1601.13) 1(5408.55,915.86) 1(5408.55,915.86) 1(5408.55,957.86) 1(5408.55,957.86) 1(5408.55,1135.86) 1(5408.55,1135.86) 1(5408.55,1177.86) 1(5408.55,1177.86) 1(5408.55,1355.86) 1(5408.55,1355.86) 1(5408.55,1397.86) 1(5408.55,1397.86) 1(5408.55,1575.86) 1(5408.55,1575.86) 1(5408.55,1617.86) 1(5408.55,1617.86) 1(5412.47,905.36) 1(5412.47,905.36) 1(5412.47,968.36) 1(5412.47,968.36) 1(5412.47,1125.36) 1(5412.47,1125.36) 1(5412.47,1188.36) 1(5412.47,1188.36) 1(5412.47,1345.36) 1(5412.47,1345.36) 1(5412.47,1408.36) 1(5412.47,1408.36) 1(5412.47,1565.36) 1(5412.47,1565.36) 1(5412.47,1628.36) 1(5412.47,1628.36) 1(5420.3,894.86) 1(5420.3,978.86) 1(5420.3,1114.86) 1(5420.3,1198.86) 1(5420.3,1334.86) 1(5420.3,1418.86) 1(5420.3,1554.86) 1(5420.3,1638.86) 1(5932.14,894.86) 1(5932.14,978.86) 1(5932.14,1114.86) 1(5932.14,1198.86) 1(5932.14,1334.86) 1(5932.14,1418.86) 1(5939.97,905.36) 1(5939.97,905.36) 1(5939.97,968.36) 1(5939.97,968.36) 1(5939.97,1125.36) 1(5939.97,1125.36) 1(5939.97,1188.36) 1(5939.97,1188.36) 1(5939.97,1345.36) 1(5939.97,1345.36) 1(5939.97,1408.36) 1(5939.97,1408.36) 1(5942.92,1554.95) 1(5942.92,1638.95) 1(5943.89,915.86) 1(5943.89,915.86) 1(5943.89,957.86) 1(5943.89,957.86) 1(5943.89,1135.86) 1(5943.89,1135.86) 1(5943.89,1177.86) 1(5943.89,1177.86) 1(5943.89,1355.86) 1(5943.89,1355.86) 1(5943.89,1397.86) 1(5943.89,1397.86) 1(5950.75,1565.45) 1(5950.75,1565.45) 1(5950.75,1628.45) 1(5950.75,1628.45) 1(5954.67,1575.95) 1(5954.67,1575.95) 1(5954.67,1617.95) 1(5954.67,1617.95)